# Altium PCB PCB.PcbDoc (part 1 of 2) (continued)
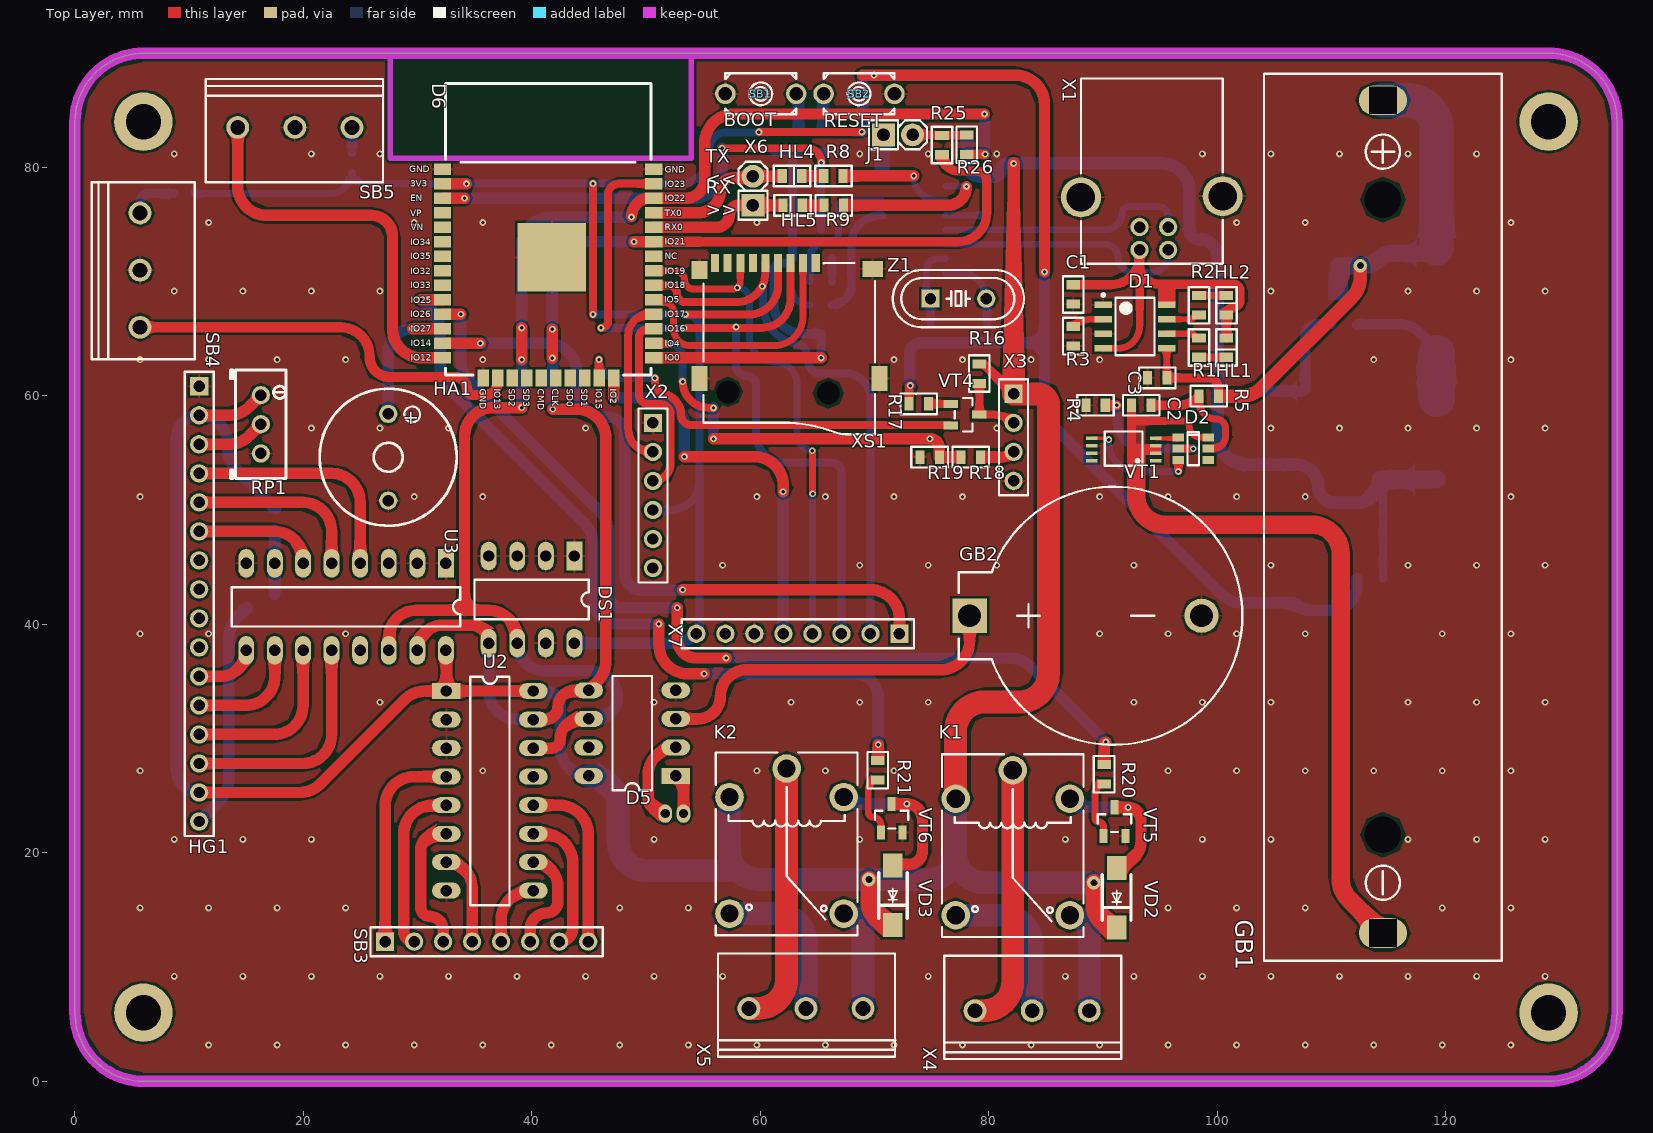
[diagram p0: Top Layer view]
## Components (designator, comment, footprint, x,y, rotation, side; value= is the part's Value field where it differs from the comment)
C13 "22pF" "C SMD 0805" 80.702,66.387 r0 bottom (schematic designator С13)
D1 "TP4056E" "U SOIC-8" 92.8,66.075 r0 top
D2 "DW01A" "U SOT-23-6" 97.9,55.375 r270 top
D3 "MT3608" "U SOT-23-6" 111.1,67.575 r180 bottom
D4 "AMS1117-3.3" "U SOT-223" 112.295,40.826 r0 bottom
D5 "DS1307" "U DIP-8" 48.841,30.47 r180 top
D6 "ESP32-WROOM-32" "D ESP-WROOOM-32" 41.434,72.116 r0 top
Designator1 "Comment" "BOASVIEWlayer:Bottom Layer:1:-1:32:2" 9.9,2349.7 r0 top
Designator1 "Comment" "BOASVIEWlayer:Top Layer:1:1:1:2" 8,2396.825 r0 top
Designator1 "Comment" "BOASVIEWdrill:Таблица отверстий:0:0:0:0" -204.15,2428.8 r0 top
Designator1 "Comment" "BOASVIEWlayer:Bottom Overlay:1:-1:34:3" 215.15,2352.2 r0 top
Designator1 "Comment" "BOASVIEWlayer:Top Overlay:1:1:33:3" 214.05,2394.45 r0 top
DS1 "AT24C512PI27" "U DIP-8" 39.975,42.225 r270 top
GB1 "3.6V" "GB 18650" 114.1,49.875 r270 top
GB2 "3.3V" "GB CR2032" 88.475,40.75 r0 top
HA1 "TMB12A05" "HA TMB12A05" 27.425,54.625 r270 top
HG1 "LCD1602" "X PBS-16" 10.872,41.788 r270 top
HL1 "LED-Red" "HL LED SMD 0805" 100.8,64.225 r270 top
HL2 "LED-Green" "HL LED SMD 0805" 100.8,67.925 r90 top
HL4 "LED-Yellow" "HL LED SMD 0805" 62.775,79.25 r0 top
HL5 "LED-Blue" "HL LED SMD 0805" 62.825,76.675 r180 top
J1 "=Valuemanufacturerpartnumber" "CON: PLS-2" 72.055,82.85 r0 top
K1 "SRA-05VDC-CL" "K SRA-05VDC-CL" 82.1,20.875 r270 top
K2 "SRA-05VDC-CL" "K SRA-05VDC-CL" 62.301,21.025 r270 top
L1 "22µH" "L SMD D10" 119.2,68.275 r90 bottom
R1 "1k" "R SMD 0805" 98.4,64.225 r90 top
R2 "1k" "R SMD 0805" 98.4,67.925 r270 top
R3 "1.2k" "R SMD 0805" 87.4,65.225 r90 top
R4 "1k" "R SMD 0805" 89.35,59.175 r0 top
R5 "100" "R SMD 0805" 99.25,59.975 r0 top
R6 "15k" "R SMD 2512" 110.825,59.775 r0 bottom
R7 "110k" "R SMD 2512" 104,57.2 r270 bottom
R8 "470" "R SMD 0805" 66.4,79.25 r0 top
R9 "470" "R SMD 0805" 66.425,76.675 r0 top
R10 "12k" "R SMD 0805" 67.125,70.024 r180 bottom
R11 "12k" "R SMD 0805" 63.475,70.024 r180 bottom
R12 "470" "R SMD 0805" 63.345,82.247 r90 bottom
R13 "12k" "R SMD 0805" 61.25,82.25 r90 bottom
R14 "12k" "R SMD 0805" 67.545,82.247 r90 bottom
R15 "470" "R SMD 0805" 65.445,82.247 r90 bottom
R16 "10k" "R SMD 0805" 79.172,61.946 r90 top
R17 "1k" "R SMD 0805" 73.872,59.296 r180 top
R18 "2k" "R SMD 0805" 78.422,54.636 r0 top
R19 "3k" "R SMD 0805" 74.822,54.636 r0 top
R20 "1k" "R SMD 0805" 90.1,26.875 r270 top
R21 "1k" "R SMD 0805" 70.275,27.225 r270 top
R22 "240" "R SMD 0805" 9.525,77.7 r0 bottom
R23 "240" "R SMD 0805" 24.25,80.45 r270 bottom
R24 "4,7k" "R SMD 0805" 17.572,49.268 r270 bottom
R25 "4,7k" "R SMD 0805" 75.9,81.95 r270 top
R26 "4,7k" "R SMD 0805" 78.075,81.975 r270 top
RP1 "10k" "R ADJ-3296W" 16.272,57.508 r0 top
SB1 "TS3601" "SB 3.5x6" 60.041,86.439 r180 top
SB2 "TS3601" "SB 3.5x6" 68.641,86.439 r0 top
SB3 "Матричная Клавиатура 4x4" "X PLS-8" 36.022,12.218 r0 top
SB4 "\"Дверь №1\"" "X 301-031-12" 6,71 r90 top
SB5 "\"Дверь №2\"" "X 301-031-12" 19.25,83.2 r0 top
U1 "CH340G" "U SOIC-16" 73.427,75.208 r180 bottom
U2 "PCF8574P" "U DIP-16" 36.271,25.417 r0 top
U3 "PCF8574P" "U DIP-16" 23.726,41.583 r270 top
VD1 "SS34" "VD DO-214AB" 119.2,56.14 r270 bottom
VD2 "SMA4007" "VD DO-214AC" 91.2,16.075 r270 top
VD3 "SMA4007" "VD DO-214AC" 71.6,16.275 r270 top
VT1 "FS8205A" "U TSSOP-8" 91.8,55.375 r180 top
VT2 "SS8050" "U SOT-23-3" 65.325,73.324 r180 bottom
VT3 "SS8050" "U SOT-23-3" 65.29,66.689 r0 bottom
VT4 "SS8050" "U SOT-23-3" 77.921,58.346 r270 top
VT5 "SS8050" "U SOT-23-3" 91,22.725 r0 top
VT6 "SS8050" "U SOT-23-3" 71.5,23.025 r0 top
VT7 "SS8050" "U SOT-23-3" 16.322,41.468 r270 bottom
X1 "USBB-1J" "X USBB-1J" 94.27,79.776 r270 top
X2 "PLS-6" "X PLS-6" 50.607,51.274 r270 top
X3 "PLS-4" "X PLS-4" 82.172,56.366 r270 top
X4 "306-031-12" "X 301-031-12" 83.8,6.475 r180 top
X5 "306-031-12" "X 301-031-12" 64,6.675 r180 top
X6 "Connector, 2pin, 2.54mm, 500VAC, 3A" "CON: PLS-2" 59.35,77.955 r90 top
X7 "PLS-8" "X PLS-8" 63.31,39.175 r180 top
XS1 "microSD" "X microSD" 61.956,64.642 r270 top
Z1 "12MHz" "Z HC-49" 77.338,68.512 r0 top
Z2 "32.768kHz" "Z DT-26" 52.475,22.425 r0 bottom
С1 "0.1µF" "C SMD 0805" 87.4,68.875 r270 top
С2 "0.1µF" "C SMD 0805" 93.35,59.175 r0 top
С3 "10µF" "C SMD 0805" 94.75,61.575 r180 top
С4 "22µF" "C SMD 1206" 109.05,71.375 r180 bottom
С5 "22µF" "C SMD 1206" 112.75,52.675 r180 bottom
С6 "0.1µF" "C SMD 0805" 113.65,48.875 r180 bottom
С7 "10µF" "C SMD 0805" 113.65,46.575 r0 bottom
С8 "10µF" "C SMD 0805" 106.6,42.725 r270 bottom
С9 "0.1µF" "C SMD 0805" 104.2,42.725 r90 bottom
С10 "100nF" "C SMD 0805" 79.925,76.65 r270 bottom
С11 "10µF" "C SMD 0805" 78.1,83.65 r270 bottom
С12 "100nF" "C SMD 0805" 75.9,83.65 r270 bottom
С14 "22pF" "C SMD 0805" 74.052,66.387 r180 bottom

## Footprints (in the part's own frame and the unit in brackets; to place one, negate y for a bottom-side part, rotate by r counter-clockwise, add the part's x,y. Pads: shape width x height; smd on the part's side, far side on the other; paste and mask are expansions set on the pad)
"BOASVIEWdrill:Таблица отверстий:0:0:0:0" [mm]
"BOASVIEWlayer:Bottom Layer:1:-1:32:2" [mm]
"BOASVIEWlayer:Bottom Overlay:1:-1:34:3" [mm]
"BOASVIEWlayer:Top Layer:1:1:1:2" [mm]
"BOASVIEWlayer:Top Overlay:1:1:33:3" [mm]
"C SMD 0805" [mm] "EU 2012"
  rect 0.8x1.2 smd: 1(-0.85,0) 2(0.85,0)
  silkscreen extent -1.6,-0.9 1.6,0.9, body extent -1.15,-0.78 1.15,0.77, height 0.99
"C SMD 1206" [mm] "EU2316"
  rect 1.6x1.8 smd: 1(-1.55,0) 2(1.55,0)
  silkscreen extent -2.63,-1.22 2.65,1.22, body extent -1.85,-0.97 1.85,0.97, height 1.34
"CON: PLS-2" [mm]
  rect 2x2 hole 1.1: 1(-1.27,0)
  round 2 hole 1.1: 2(1.27,0)
  silkscreen extent -2.54,-1.27 2.54,1.27, body extent -2.57,-1.28 2.51,1.26, height 8.54
"D ESP-WROOOM-32" [mil]
  rect 59.1x39.4 smd: 1(-364.19,304) 2(-364.19,254) 3(-364.19,204) 4(-364.19,154) 5(-364.19,104) 6(-364.19,54) 7(-364.19,4) 8(-364.19,-46) 9(-364.19,-96) 10(-364.19,-146) 11(-364.19,-196) 12(-364.19,-246) 13(-364.19,-296) 14(-364.19,-346) 25(363.81,-346) 26(363.81,-296) 27(363.81,-246) 28(363.81,-196) 29(363.81,-146) 30(363.81,-96) 31(363.81,-46) 32(363.81,4) 33(363.81,54) 34(363.81,104) 35(363.81,154) 36(363.81,204) 37(363.81,254) 38(363.81,304)
  rect 236.2x236.2 smd: 1(11.81,0)
  rect 39.4x59.1 smd: 15(-224.19,-415) 16(-174.19,-415) 17(-124.19,-415) 18(-74.19,-415) 19(-24.19,-415) 20(25.81,-415) 21(75.81,-415) 22(125.81,-415) 23(175.81,-415) 24(225.81,-415)
  silkscreen extent -354,-405 354,599, body extent -354,-404 354,600, height 118
"GB 18650" [mm]
  oval 2.6x4.2 hole 2.4 square: 1(36.9,0.4) 2(-36,0.4)
  round 0 hole 3.2: ""(-27.3,0.4) ""(28.3,0.4)
  silkscreen extent -38.33,-10 39.33,10.8, body extent -38.33,-10 39.33,10.8, height 21.65
"GB CR2032" [mm]
  round 3 hole 2: 1(10.152,0)
  rect 3x3 hole 2: 2(-10.151,0)
  silkscreen extent -11.1,-11.3 13.72,11.3, body extent -11.08,-11 13.42,11, height 8.5
"HA TMB12A05" [mm]
  round 1.6 hole 1: 1(-3.8,0) 2(3.8,0)
  silkscreen extent -6,-6 6,6, body extent -6,-6 6,6, height 9.6
"HL LED SMD 0805" [mm] "EU 2012"
  rect 0.8x1.2 smd: 1(-0.85,0) 2(0.85,0)
  silkscreen extent -1.6,-0.9 1.6,0.9, body extent -0.93,-0.46 1.13,0.45, height 0.85
"K SRA-05VDC-CL" [mm]
  round 2.5 hole 1.6: 1(-3.851,5) 2(-3.851,-5) 3(-6.35,-0.001) 4(6.35,5) 5(6.35,-5)
  silkscreen extent -7.75,-6.2 8.25,6.2, body extent -7.57,-6.2 8.12,6.1, height 13.76
"L SMD D10" [mm]
  rect 2.7x3.6 smd: 1(-4.2,0) 2(4.2,0)
  silkscreen extent -6,-5.75 6,5.75, body extent -5.2,-5.2 5.2,5.2, height 4.81
"R ADJ-3296W" [mm]
  round 1.6 hole 1: 1(0,2.55) 2(0,0.01) 3(0,-2.55)
  silkscreen extent -2.64,-4.75 2.2,4.75, body extent -2.66,-4.76 2.16,4.76, height 11.55
"R SMD 0805" [mm] "EU 2012"
  rect 0.8x1.2 smd: 1(-0.85,0) 2(0.85,0)
  silkscreen extent -1.6,-0.9 1.6,0.9, body extent -1,-0.62 1,0.63, height 0.6
"R SMD 2512" [mm] "EU 6332"
  rect 1.25x3.2 smd: 1(-3.225,0) 2(3.225,0)
  silkscreen extent -4.5,-2 4.5,2, body extent -3.35,-1.6 3.35,1.6, height 0.55
"SB 3.5x6" [mm]
  round 1.8 hole 1.2: 1(-3.1,0) 2(3.1,0)
  silkscreen extent -3.1,-1.8 3.1,1.8, body extent -3.88,-1.75 3.88,1.75, height 4.3
"U DIP-8" [mm]
  rect 2.5x1.4 hole 1: 1(-3.754,3.746)
  oval 2.5x1.4 hole 1: 2(-3.754,1.246) 3(-3.754,-1.254) 4(-3.754,-3.754) 5(3.866,-3.754) 6(3.866,-1.254) 7(3.866,1.246) 8(3.866,3.746)
  silkscreen extent -1.67,-5 1.78,5, body extent -4.13,-5 4.13,5, height 5.1
"U DIP-16" [mm]
  rect 2.5x1.4 hole 1: 1(-3.754,8.746)
  oval 2.5x1.4 hole 1: 2(-3.754,6.246) 3(-3.754,3.746) 4(-3.754,1.246) 5(-3.754,-1.254) 6(-3.754,-3.754) 7(-3.754,-6.229) 8(-3.754,-8.729) 9(3.866,-8.729) 10(3.866,-6.229) 11(3.866,-3.754) 12(3.866,-1.254) 13(3.866,1.246) 14(3.866,3.746) 15(3.866,6.246) 16(3.866,8.746)
  silkscreen extent -1.67,-10 1.78,10, body extent -3.93,-10 3.94,10, height 5.1
"U SOIC-8" [mm]
  rect 1.55x0.6 smd: 1(-2.775,1.905) 2(-2.775,0.635) 3(-2.775,-0.635) 4(-2.775,-1.905) 5(2.775,-1.905) 6(2.775,-0.635) 7(2.775,0.635) 8(2.775,1.905)
  silkscreen extent -2.9,-2.52 1.7,2.88, body extent -3,-2.45 3,2.45, height 1.75
"U SOIC-16" [mm]
  rect 1.55x0.6 smd: 1(-2.775,4.405) 2(-2.775,3.135) 3(-2.775,1.865) 4(-2.775,0.595) 5(-2.775,-0.665) 6(-2.775,-1.935) 7(-2.775,-3.205) 8(-2.775,-4.455) 9(2.775,-4.455) 10(2.775,-3.205) 11(2.775,-1.935) 12(2.775,-0.665) 13(2.775,0.595) 14(2.775,1.865) 15(2.775,3.135) 16(2.775,4.405)
  silkscreen extent -2.9,-5.07 1.7,5.38, body extent -3,-5.1 3,5.1, height 1.7
"U SOT-23-3" [mm]
  rect 0.7x1.25 smd: 1(0.95,-1.25) 2(-0.95,-1.25) 3(0,1.25)
  silkscreen extent -1.46,-0.9 1.46,0.65, body extent -1.45,-1.2 1.45,1.2, height 1.1
"U SOT-23-6" [mm]
  rect 0.7x1 smd: 1(-1,-1.3) 2(0,-1.3) 3(1,-1.3) 4(1,1.3) 5(0,1.3) 6(-1,1.3)
  silkscreen extent -1.45,-0.5 1.45,0.5, body extent -1.45,-1.4 1.45,1.4, height 1.18
"U SOT-223" [mm]
  rect 1.1x2.2 smd: 1(-2.395,-3.149) 2(-0.095,-3.149) 3(2.205,-3.149)
  rect 3.5x2.2 smd: 4(-0.095,3.049)
  silkscreen extent -3.64,-1.7 3.45,1.6, body extent -3.32,-3.39 3.18,3.57, height 1.7
"U TSSOP-8" [mm]
  rect 1x0.3 smd: 1(-2.8,1.05) 2(-2.8,0.4) 3(-2.8,-0.25) 4(-2.8,-0.9) 5(2.8,-0.9) 6(2.8,-0.25) 7(2.8,0.4) 8(2.8,1.05)
  silkscreen extent -1.65,-1.5 1.65,1.5, body extent -3.14,-1.5 3.14,1.5, height 1.19
"VD DO-214AB" [mm] "SMC"
  rect 3.03x3.82 smd: 1(-3.435,0) 2(3.435,0)
  silkscreen extent -3.6,-3.11 3.6,3.11, body extent -3.98,-2.95 3.98,2.95, height 2.45
"VD DO-214AC" [mm] "SMA"
  rect 2.1x1.7 smd: 1(-2.6,0) 2(2.6,0)
  silkscreen extent -1.99,-1.25 2.01,1.25, body extent -2.8,-1.48 2.8,1.47, height 2.7
"X 301-031-12" [mm]
  round 2 hole 1.3: 1(-5,0.3) 2(0,0.3) 3(5,0.3)
  silkscreen extent -7.8,-4.5 7.71,4.53, body extent -7.73,-4.5 7.87,3.1, height 10
"X microSD" [mil]
  rect 63x27.6 smd: 1(-274.92,114.02) 2(-274.92,70.02) 3(-274.92,27.02) 4(-274.92,-15.98) 5(-274.92,-59.98) 6(-274.92,-102.98) 7(-274.92,-145.98) 8(-274.92,-189.98) 9(-274.92,-232.98)
  rect 55.1x70.9 smd: 6(-254.92,309.84)
  rect 63x55.1 smd: 6(-250.92,-286.94)
  rect 86.6x55.1 smd: 6(123.08,334.02) 6(123.08,-286.94)
  round 0 hole 78.74: ""(169.29,-188.98) ""(173.23,157.48)
  silkscreen extent -275,-273 315,318, body extent -266,-246 425,299, height 85
"X PBS-16" [mm]
  rect 1.6x1.6 hole 1: 1(-19.05,0)
  round 1.6 hole 1: 2(-16.51,0) 3(-13.97,0) 4(-11.43,0) 5(-8.89,0) 6(-6.35,0) 7(-3.81,0) 8(-1.27,0) 9(1.27,0) 10(3.81,0) 11(6.35,0) 12(8.89,0) 13(11.43,0) 14(13.97,0) 15(16.51,0) 16(19.05,0)
  silkscreen extent -20.32,-1.27 20.32,1.27, body extent -20.34,-1.27 20.3,1.27, height 8.27
"X PLS-4" [mm]
  rect 1.6x1.6 hole 1: 1(-3.81,0)
  round 1.6 hole 1: 2(-1.27,0) 3(1.27,0) 4(3.81,0)
  silkscreen extent -5.08,-1.27 5.08,1.27, body extent -5.08,-1.27 5.08,1.27, height 9.3
"X PLS-6" [mm]
  rect 1.6x1.6 hole 1: 1(-6.356,-0.007)
  round 1.6 hole 1: 2(-3.816,-0.007) 3(-1.276,-0.007) 4(1.264,-0.007) 5(3.804,-0.007) 6(6.344,-0.007)
  silkscreen extent -7.63,-1.28 7.61,1.26, body extent -7.62,-1.27 7.62,1.27, height 8.54
"X PLS-8" [mm]
  rect 1.6x1.6 hole 1: 1(-8.87,0)
  round 1.6 hole 1: 2(-6.33,0) 3(-3.79,0) 4(-1.25,0) 5(1.29,0) 6(3.83,0) 7(6.37,0) 8(8.91,0)
  silkscreen extent -10.14,-1.27 10.18,1.27, body extent -10.13,-1.25 10.19,1.29, height 8.54
"X USBB-1J" [mm]
  round 1.6 hole 1: 1(7.001,-1.069) 2(7.001,1.43) 3(5.001,1.43) 4(5.001,-1.069)
  round 3.5 hole 2.5: 4(2.291,6.201) 4(2.4,-6.2)
  silkscreen extent -8,-6.2 8.2,6.2, body extent -8.05,-7.13 8.05,7.18, height 10.82
"Z DT-26" [mm]
  oval 1.2x1.6 hole 0.8: 1(-0.8,-1) 2(0.8,-1)
  silkscreen extent -1,0.25 1,7, body extent -0.99,-0.57 1,6.57, height 2
"Z HC-49" [mm]
  rect 1.6x1.6 hole 1: 1(-2.438,0)
  round 1.6 hole 1: 2(2.438,0)
  silkscreen extent -5.74,-2.5 5.74,2.5, body extent -5.4,-2.25 5.4,2.25, height 3.5

## Part data
C13 С2 С6 С9 С14: library part Конденсатор, Case=0805, Voltage=50, ComponentLink1Description=Datasheet, ComponentLink2Description=HelpURL, ComponentLink3Description=Store
  C13 С14: ComponentLink3URL=https://www.chipdip.ru/product0/29844, Model=MLCC22pFNPO50V5%0805
  С2 С6 С9: ComponentLink3URL=https://www.chipdip.ru/product0/77059545, Model=MLCC0.1uFY5V50V+80-20%0805
D1: library part TP4056, "Контроллер зарядки батарейки.", Case=SOP-8, Manufacturer="NanJing Top Power ASIC Corp.", ComponentLink1Description=Datasheet, ComponentLink1URL=https://static.chipdip.ru/lib/977/DOC002977110.pdf, ComponentLink2Description=Store, ComponentLink2URL=https://aliexpress.ru/item/32982194674.html?spm=a2g0s.9042311.0.0.75c333eday2Luc, ComponentLink3Description=HelpURL, Model=TP4056E
D2: library part DW01, "Защита для литиевого аккумулятора.", Case=SOT-23-6, Manufacturer="Shenzhen H&M Semiconductor Co. Ltd.", ComponentLink1Description=Datasheet, ComponentLink1URL=http://hmsemi.com/downfile/DW01A.PDF, ComponentLink2Description=Store, ComponentLink2URL=https://aliexpress.ru/item/32984691553.html?spm=a2g0s.9042311.0.0.543133edCjZ4Pa, ComponentLink3Description=HelpURL, Model=DW01A
D3: "Повышающий преобразователь.", Case=SOT-23-6, Manufacturer=AEROSEMI, ComponentLink1Description=HelpURL, ComponentLink2Description=Datasheet, ComponentLink2URL=https://prom-electric.ru/media/MT3608.pdf, ComponentLink3Description=Store, ComponentLink3URL=https://smdx.ru/mt3608-b628, Model=MT3608
D4: library part AMS1117, "Стабилизатор напряжения.", Case=SOT-223, Manufacturer="Advanced Monolithic Systems", Voltage=3.3, ComponentLink1Description=Datasheet, ComponentLink1URL=http://www.advanced-monolithic.com/pdf/ds1117.pdf, ComponentLink2Description=Store, ComponentLink2URL=https://aliexpress.ru/item/4000453803123.html?spm=a2g0s.9042311.0.0.543133edCjZ4Pa, Model=AMS1117-3.3
D5: "Часы реального времени.", Manufacturer="Dallas Semiconductor", ComponentLink1Description=HelpURL, ComponentLink2Description=Datasheet, ComponentLink2URL=https://www.sparkfun.com/datasheets/Components/DS1307.pdf, ComponentLink3Description=Store, ComponentLink3URL=https://aliexpress.ru/item/33022793738.html?spm=a2g0s.9042311.0.0.4d6533edTBBY1Q, Model=DS1307
D6: library part ESP32-WROOM, Manufacturer="Espressif Systems", ComponentLink1Description=Datasheet, ComponentLink1URL=https://www.espressif.com/sites/default/files/documentation/esp32-wroom-32_datasheet_en.pdf, ComponentLink2Description=Store, ComponentLink2URL=https://aliexpress.ru/item/32921866832.html?spm=a2g0s.9042311.0.0.264d33edwiJORy, ComponentLink3Description=HelpURL, Model=ESP32-WROOM-32
DS1: library part AT24C, "Перезаписываемая постоянная память.", Case=PDIP-8, Manufacturer=Atmel, ComponentLink1Description=Datasheet, ComponentLink1URL=http://ww1.microchip.com/downloads/en/devicedoc/atmel-8720-seeprom-at24c512c-datasheet.pdf, ComponentLink2Description=HelpURL, ComponentLink2URL=https://www.microchip.com/wwwproducts/en/AT24C512C, ComponentLink3Description=Store, ComponentLink3URL=https://aliexpress.ru/item/32598383117.html?spm=a2g0s.9042311.0.0.3da233edDDspR7, Device Revision=B, Memory Size="512 kbit", Model=AT24C512PI27
GB1: library part Батарея, Capacity=2200mAh, Case=18650, Manufacturer=LG, ComponentLink1Description=Store, ComponentLink2Description=HelpURL, ComponentLink3Description=Datasheet, ComponentLink3URL=https://www.tme.eu/Document/851884e7c9339fa73b5bf66663baac51/ACCU-ICR18650-2.2.pdf, Model=LGAAS31865, Voltage=3.6V
GB2: library part Батарея, Case=CR2032, ComponentLink1Description=Store, ComponentLink2Description=HelpURL, ComponentLink3Description=Datasheet, Voltage=3.3V
HA1: library part Пьездодинамик, ComponentLink1Description=Datasheet, ComponentLink2Description=Store, Model=TMB12A05
HG1: library part "LCD HD44780", "Дисплей на основе контроллера HD44780.", CharacterResolution=5x7, ComponentLink1Description=Store, ComponentLink2Description=Datasheet, ComponentLink3Description=HelpURL, Model=LCD1602, ScreenResolution=16x2, Type=LCD
HL1: library part Светодиод, Case=0805, Color=Red, Manufacturer="Taiwan Oasis Technology Co., Ltd", ComponentLink1Description=Datasheet, ComponentLink1URL=https://static.chipdip.ru/lib/736/DOC002736052.pdf, ComponentLink2Description=HelpURL, ComponentLink3Description=Store, ComponentLink3URL=https://www.chipdip.ru/product/to-2013bc-mre, Model=LED-Red
HL2: library part Светодиод, Case=0805, Color=Green, Manufacturer="Taiwan Oasis Technology Co., Ltd", ComponentLink1Description=Datasheet, ComponentLink1URL=https://static.chipdip.ru/lib/736/DOC002736052.pdf, ComponentLink2Description=HelpURL, ComponentLink3Description=Store, ComponentLink3URL=https://www.chipdip.ru/product/to-2013bc-mre, Model=LED-Green
HL4: library part Светодиод, Case=0805, Color=Yellow, Manufacturer="Taiwan Oasis Technology Co., Ltd", ComponentLink1Description=Datasheet, ComponentLink1URL=https://static.chipdip.ru/lib/736/DOC002736052.pdf, ComponentLink2Description=HelpURL, ComponentLink3Description=Store, ComponentLink3URL=https://www.chipdip.ru/product/to-2013bc-myf, Model=LED-Yellow
HL5: library part Светодиод, Case=0805, Color=Blue, Manufacturer="Taiwan Oasis Technology Co., Ltd", ComponentLink1Description=Datasheet, ComponentLink1URL=https://static.chipdip.ru/lib/736/DOC002736052.pdf, ComponentLink2Description=HelpURL, ComponentLink3Description=Store, ComponentLink3URL=https://www.chipdip.ru/product/to-2013bc-bf, Model=LED-Blue
J1: library part Jumper_single, CommentText="\"Перемычка\""
K1 K2: library part "Реле SRD-05VDC", Manufacturer="Ningbo Songle", MaxCurrent=20A, Temperature=-40...+85°C, VoltageControlCoil=5VDC, VoltageMax=250VAC, ComponentLink1Description=Store, ComponentLink1URL=https://aliexpress.ru/item/32836198919.html?spm=a2g0s.9042311.0.0.4d6533edTBBY1Q, ComponentLink2Description=Datasheet, ComponentLink2URL=https://www.circuitbasics.com/wp-content/uploads/2015/11/SRD-05VDC-SL-C-Datasheet.pdf, ComponentLink3Description=HelpURL, Model=SRA-05VDC-CL, TypeRelay="Electromechanics relay"
L1: library part "Катушка индуктивности", Case="SMD D10xH4.8", Manufacturer=Epcos, ComponentLink1Description=HelpURL, ComponentLink2Description=Datasheet, ComponentLink2URL=https://static.chipdip.ru/lib/547/DOC005547906.pdf, ComponentLink3Description=Store, ComponentLink3URL=https://www.chipdip.ru/product/b82464g4223m, Model=B82464G4223M
R1 R2 R3 R4 R5 R8 R9 R10 R11 R12 R13 R14 R15 R16 R17 R18 R19 R20 R21 R22 R23 R24 R25 R26: library part "Резистор 0.125 Вт", "R", Case=0805, Power=0.125, ComponentLink1Description=Datasheet, ComponentLink2Description=HelpURL, ComponentLink3Description=Store
  R1 R2 R4 R17: ComponentLink3URL=https://www.chipdip.ru/product0/843440046, Model=RC0805JR-071KL
  R3: ComponentLink3URL=https://www.chipdip.ru/product0/9000079488, Model=RC0805FR-071K2L
  R5: ComponentLink3URL=https://www.chipdip.ru/product0/9000079462, Model=RC0805FR-07100RL
  R8 R9 R12 R15: ComponentLink3URL=https://www.chipdip.ru/product0/9000079478, Model=RC0805FR-07470RL
  R10 R11 R13 R14: ComponentLink3URL=https://www.chipdip.ru/product0/9000079516, Model=RC0805FR-0712KL
  R16: ComponentLink3URL=https://www.chipdip.ru/product0/9000079514, Model=RC0805FR-0710KL
  R18: ComponentLink3URL=https://www.chipdip.ru/product0/811944944, Model=RC0805JR-072KL
  R19: ComponentLink3URL=https://www.chipdip.ru/product0/88534195, Model=RC0805JR-073KL
  R20 R21: ComponentLink3URL=https://www.chipdip.ru/product0/9000079486, Model=RC0805FR-071KL
  R22 R23: ComponentLink3URL=https://www.chipdip.ru/product0/834986419, Model=RC0805JR-07240RL
  R24 R25 R26: ComponentLink3URL=https://www.chipdip.ru/product0/9000079502, Model=RC0805FR-074K7L
R6 R7: library part "Резистор 1 Вт", "R", Case=2512, Power=1, ComponentLink1Description=Datasheet, ComponentLink2Description=HelpURL, ComponentLink3Description=Store
  R6: ComponentLink3URL=https://www.chipdip.ru/product0/9000190185, Model=RC2512FR-0715KL
  R7: ComponentLink3URL=https://www.chipdip.ru/product0/9000190222, Model=RC2512FR-07110KL
RP1: library part "Подстроечный Резистор", ComponentLink1Description=Datasheet, ComponentLink2Description=HelpURL, ComponentLink3Description=Store
SB1 SB2: library part Кнопка, Manufacturer="KLS electronic co ltd", ComponentLink1Description=Store, ComponentLink1URL=https://www.chipdip.ru/product/kls7-ts3601-4.3-180-tc-0120, ComponentLink2Description=Datasheet, ComponentLink2URL=https://static.chipdip.ru/lib/551/DOC001551910.pdf, ComponentLink3Description=HelpURL, Model=TS3601, Size=3.5x6x4.3
SB3: "SB", ComponentLink1Description=Store, ComponentLink1URL=https://aliexpress.ru/item/32874565775.html?spm=a2g0s.9042311.0.0.264d33edwiJORy
SB4 SB5: library part "Кнопка (2-х парная)", "SB", ComponentLink1Description=Store, ComponentLink2Description=Datasheet, ComponentLink3Description=HelpURL
U1: "Преобразователя интерфейса USB в UART.", Case=SOP-16, Manufacturer="Nanjing Qinheng Microelectronics Co. Ltd.", ComponentLink1Description=HelpURL, ComponentLink1URL=http://mypractic.ru/mikrosxema-ch340g-preobrazovatel-interfejsa-usb-v-uart-most-usb-uart-xarakteristiki-usloviya-ekspluatacii-tipovye-sxemy-vklyucheniya.html, ComponentLink2Description=Datasheet, ComponentLink2URL=http://www.wch-ic.com/products/CH340.html?from=search&q=eyJpdiI6InNwMEdrWnhCbzlTczZhZUM2cncxVHc9PSIsInZhbHVlIjoia0FTMDlncDFNZ29zQmJ2ZGJZOTBCZz09IiwibWFjIjoiZGE4NTAzZGQ0ZWQzNzFmMTZkZWFhMWYwOTExNzExNWI5YjhlMzUwMjE3NzYxMzc5MWI2ZmFmZTVlMDQ3ZDAwZiJ9, ComponentLink3Description=Store, ComponentLink3URL=https://aliexpress.ru/item/32836074859.html?spm=a2g0s.9042311.0.0.264d33edvcXNXs, Model=CH340G
U2 U3: library part PCF8574, "IIC расширитель.", ComponentLink1Description="Datasheet №1", ComponentLink1URL=https://www.nxp.com/docs/en/data-sheet/PCF8574_PCF8574A.pdf, ComponentLink2Description="Datasheet №2", ComponentLink2URL=http://www.ti.com/lit/ds/symlink/pcf8574.pdf, ComponentLink3Description=HelpURL, ComponentLink4Description=Store, ComponentLink4URL=https://aliexpress.ru/item/4000480743714.html?spm=a2g0s.9042311.0.0.264d33edUHMLcH, Model=PCF8574P
VD1: library part "Диод Шотки", Case=SMC, Manufacturer="Vishay General Semiconductor", ComponentLink1Description=Datasheet, ComponentLink1URL=https://static.chipdip.ru/lib/501/DOC001501148.pdf, ComponentLink2Description=HelpURL, ComponentLink3Description=Store, ComponentLink3URL=https://www.chipdip.ru/product/ss34-5, Model=SS34
VD2 VD3: library part Диод, "VD", Case=SMA, ComponentLink1Description=Datasheet, ComponentLink2Description=HelpURL, ComponentLink3Description=Store, ComponentLink3URL=https://www.chipdip.ru/product/sma4007, Model=SMA4007
VT1: library part FS8205, "Транзисторная сборка. Если корпус SOIC-8, то смотри подробное условное обозначение. Пины 2 и 5 находятся по середине, в внутренней схеме они соеденины.", Case=TSSOP-8, Manufacturer="Fortune Semiconductor Corp.", ComponentLink1Description=Datasheet, ComponentLink1URL=https://www.ic-fortune.com/upload/Download/FS8205A-DS-12_EN.pdf, ComponentLink2Description="Detailed symbol", ComponentLink2URL=https://go-radio.ru/images/8205a.png, ComponentLink3Description=Store, ComponentLink3URL=https://aliexpress.ru/item/4000453813065.html?spm=a2g0s.9042311.0.0.75c333eday2Luc, ComponentLink4Description=HelpURL, Model=FS8205A
VT2 VT3 VT4 VT5 VT6 VT7: library part "Биполярный Транзистор", Case=SOT-23-3, Manufacturer=Hottech, ComponentLink1Description=Datasheet, ComponentLink1URL=https://static.chipdip.ru/lib/210/DOC005210683.pdf, ComponentLink2Description=HelpURL, ComponentLink3Description=Store, ComponentLink3URL=https://www.chipdip.ru/product/ss8050-hottech, Model=SS8050
X1: library part "USB B", Manufacturer=Molex, ComponentLink1Description=Store, ComponentLink1URL=https://www.chipdip.ru/product/usbb-1j-ds1099-b, ComponentLink2Description=Datasheet, ComponentLink3Description=HelpURL, Model=USBB-1J, TypeConnector="USB B"
X2 X3: CurrentMax=3A, Manufacturer=Connfly, VoltageMax=500VAC, ComponentLink1Description=Store, Pitch=2.54mm, TypeConnector=Connector
  X2: CommentText=FPM10A, Model=PLS-6, Multichannel=6pin, Text1=GND, Text2=RX, Text3=TX, Text4=Vcc, Text5=NC, Text6=NC
  X3: CommentText=HC-SR04, ComponentLink1URL=https://aliexpress.ru/item/1872588324.html?spm=a2g0s.9042311.0.0.264d33edUHMLcH, Model=PLS-4, Multichannel=4pin, Text1=Vcc, Text2=Trip, Text3=Echo, Text4=GND
X4 X5: library part "Винтовой Клеммник 3 Pin", CurrentMax=10A, VoltageMax=300VAC, Model=306-031-12, Multichannel=3pin, Pitch=3.5mm, Text1=OUT, Text2=NO, Text3=NC, TypeConnector="Terminal connector"
  X4: CommentText="\"Разъем для подключения замка №1\""
  X5: CommentText="\"Разъем для подключения замка №2\""
X6: library part PLS-2, CurrentMax=3A, Manufacturer=Connfly, VoltageMax=500VAC, CommentText="\"UART\"", HelpURL=https://www.chipdip.ru/product/pls-2, Multichannel=2pin, PartNumber=PLS-2, Pitch=2.54mm, Text1=RX, Text2=TX, TypeConnector=Connector, ValueManufacturerPartNumber="Connector, 2pin, 2.54mm, 500VAC, 3A"
X7: library part PLS/PBS-8, CurrentMax=3A, VoltageMax=500VAC, CommentText=RC522, ComponentLink1Description=Store, ComponentLink1URL=https://aliexpress.ru/item/33014153324.html?spm=a2g0s.9042311.0.0.264d33edMcVqDH, Model=PLS-8, Multichannel=8pin, Pitch=2.54mm, Text1=RX/SDA/SS, Text2=SCK, Text3=MOSI, Text4=TX/SCL/MISO, Text5=IRQ, Text6=GND, Text7=RST, Text8=Vcc, TypeConnector=Connector
XS1: "Слот для карты памяти.", Manufacturer=Molex, ComponentLink1Description=Store, ComponentLink1URL=https://aliexpress.ru/item/32802051702.html?spm=a2g0s.9042311.0.0.4d6533edTBBY1Q, ComponentLink2Description=Datasheet, ComponentLink3Description=HelpURL, ComponentLink3URL=https://kicad-info.s3-us-west-2.amazonaws.com/original/2X/8/8d1dbfabaa90b65dad4965a185d7e55230d35003.png, TypeConnector=microSD
Z1 Z2: library part "Кварцевый Резонатор", ComponentLink1Description=Store, ComponentLink2Description=Datasheet, ComponentLink3Description=HelpURL
  Z1: ComponentLink1URL=https://aliexpress.ru/item/32905911610.html?spm=a2g0s.9042311.0.0.264d33edzA8MIe, Frequency=12MHz, Model=HC-49
  Z2: Frequency=32.768kHz
С1: library part Конденсатор, "C", Case=0805, Voltage=50, ComponentLink1Description=Datasheet, ComponentLink2Description=HelpURL, ComponentLink3Description=Store, ComponentLink3URL=https://www.chipdip.ru/product0/642412305, Model=MLCC0.1uFY5V50V+80-20%0805
С3 С7 С8 С11: library part Конденсатор, "C", Case=0805, Manufacturer="Murata Manufacturing", Voltage=16, ComponentLink1Description=Datasheet, ComponentLink1URL=https://static.chipdip.ru/lib/428/DOC005428493.pdf, ComponentLink2Description=HelpURL, ComponentLink3Description=Store, ComponentLink3URL=https://www.chipdip.ru/product/grm21br61c106ke15l, Model=GRM21BR61C106KE15L
С4 С5: library part Конденсатор, Case=1206, Manufacturer="Murata Manufacturing", Voltage=16, ComponentLink1Description=Datasheet, ComponentLink2Description=HelpURL, ComponentLink3Description=Store, Model=GRM31CR61C226KE15L
  С4: ComponentLink1URL=https://static.chipdip.ru/lib/428/DOC005428493.pdf, ComponentLink3URL=https://www.chipdip.ru/product/grm31cr61c226ke15l
С10 С12: library part Конденсатор, Case=0805, Manufacturer="Murata Manufacturing", Voltage=25, ComponentLink1Description=Datasheet, ComponentLink1URL=https://static.chipdip.ru/lib/428/DOC005428493.pdf, ComponentLink2Description=HelpURL, ComponentLink3Description=Store, ComponentLink3URL=https://www.chipdip.ru/product/grm21br71e104ka01l, Model=GRM21BR71E104KA01L

## Free pads (board coordinates)
  round 0 on Mech4: 2(129,84)
  round 5.12 hole 3.1: ""(6,6) ""(6,84) ""(129,6) ""(129,84)

## Via types
v1: diameter 0.6, hole 0.3, Top Layer to Bottom Layer, 159 vias
v2: diameter 0.6, hole 0.3, Top Layer to Bottom Layer, tented both sides, 60 vias
v3: diameter 1.2, hole 0.6, Top Layer to Bottom Layer, tented both sides, 3 vias

## Nets (pads, with @x,y where several pads share a name; then routed paths per layer and width w, separated by ;. In a path a pad name is that pad's centre, name@x,y a point inside that pad or via, vN(x,y) a via of type N, cw(c..) or ccw(c..) an arc to the next point about the centre after c; other vN are vias at no path point)
+3.3: D4.2 D6.2 DS1.8 R13.2 R14.2 R17.2 R22.2 R23.2 X2.4 X7.8 XS1.4 С8.2 С9.1 | length 246.9
  Top Layer w0.7: v2@34.275,78.567 v2(34.275,78.575) ; v2(45.35,67.125) v2(45.35,78.575) ; v2(53.45,67.125) 59.01,67.125 ccw(c59.01,69.665) 61.55,69.665 XS1.4@61.55,71.625 ; v2(59.873,83.083) 68.87,83.083 ccw(c68.87,83.104) v2(68.89,83.104) ; R17.2@73.022,59.296 73.022,60.796 cw(c73.125,60.796) v2(73.125,60.9)
  Top Layer w1: D6.2@32.184,78.567 v2@34.275,78.567 ; X2.4@50.6,50.01 X2.4@50.665,50.01 ; 68.95,88.075 v2(69.95,88.075) 82.335,88.075 cw(c82.335,85.535) 84.875,85.535 v2(84.875,70.85)
  Bottom Layer w0.6: R22.2@10.375,77.925 R22.2@10.375,77.7 22.35,77.7 ccw(c22.35,79.6) R23.2@24.25,79.6 ccw(c25.275,79.6) 25.275,78.575 v2(34.275,78.575)
  Bottom Layer w0.7: v2(34.275,78.575) v2(45.35,78.575) 52.982,78.575 ccw(c52.982,81.115) 55.522,81.115 55.522,81.577 cw(c57,81.577) 57,83.055 59.844,83.055 v2(59.873,83.083) ; v2(45.35,67.125) v2(53.45,67.125) cw(c53.45,65.9) 54.675,65.9 54.675,52.55 ; X2.4@50.6,50.01 52.135,50.01 ccw(c52.135,52.55) 54.675,52.55 ; X7.8@54.4,39.175 ccw(c54.4,39.45) 54.675,39.45 54.675,52.55 ; v2@59.85,83.1 R13.2@61.25,83.1 ; R14.2@67.545,83.097 68.925,83.097 v2@68.925,83.1 ; v2(68.89,83.104) ccw(c68.89,83.164) v2@68.95,83.164
  Bottom Layer w1: DS1.8@43.721,38.359 52.532,38.359 ccw(c52.532,40.899) X7.8@54.328,39.103 ; v2@68.95,83.164 68.95,88.075 ; v2(73.125,60.9) cw(c73.125,60.95) 73.075,60.95 73.075,63.625 cw(c74.114,63.625) 74.114,64.664 84.875,64.664 ; v2(84.875,70.85) 84.875,64.664 ; D4.2@112.2,43.975 112.2,43.375 cw(c110.05,43.375) 110.05,41.225 108.169,41.225 cw(c108.169,43.443) С8.2@106.6,41.875 С9.1@104.2,41.875 102.177,41.875 cw(c102.177,44.415) 100.381,42.619 85.125,57.875 cw(c85.729,58.478) 84.875,58.478 84.875,64.664
  Bottom Layer w1.5: X7.8@54.328,39.103 X7.8@54.4,39.175
+5: D4.3 D5.8 HG1.2 HG1.15 J1.2 K1.2 K2.2 R7.2 R16.2 R24.1 R25.1 R26.1 RP1.1 U2.1 U2.16 U3.16 VD1.2 VD2.2 VD3.2 X3.1 С5.1 С6.1 С7.2 С11.2 С12.2 | length 331
  Top Layer w0.7: J1.2@73.325,82.85 75.85,82.85 cw(c75.85,82.8) R25.1@75.9,82.8 cw(c75.925,82.8) 75.925,82.825 R26.1@78.075,82.825 ; R16.2@79.172,62.796 79.552,62.796 X3.1@82.172,60.176
  Top Layer w1: HG1.15@10.872,25.278 19.676,25.278 ccw(c19.676,27.818) 21.472,26.022 28.869,33.419 cw(c30.665,31.623) 30.665,34.163 U2.1@32.517,34.163 ; HG1.2@10.872,58.298 13.46,58.298 ccw(c13.46,60.838) 15.256,59.042 RP1.1@16.272,60.058 ; U3.16@32.472,37.718 cw(c32.472,37.673) 32.517,37.673 U2.1@32.517,34.163 ; U2.16@40.137,34.163 U2.1@32.517,34.163
  Top Layer w1.1: X3.1@82.172,60.176 v2(82.172,80.338)
  Top Layer w1.5: v3(69.5,17.656) 69.5,15.775 ccw(c71.6,15.775) VD3.2@71.6,13.675 ; v3(89.2,17.375) 89.2,15.475 ccw(c91.2,15.475) VD2.2@91.2,13.475
  Top Layer w2: K1.2@77.1,24.725 77.1,30.66 cw(c79.64,30.66) 79.64,33.2 82.685,33.2 ccw(c82.685,35.74) 85.225,35.74 85.225,59.2 ccw(c84.248,59.2) 84.248,60.176 X3.1@82.172,60.176
  Bottom Layer w0.7: J1.2@73.375,82.8 С12.2@75.9,82.8 С11.2@78.1,82.8 ; D4.3@114.5,43.975 С7.2@114.5,46.575 С6.1@114.5,48.875 114.5,51.75
  Bottom Layer w1: HG1.15@10.872,25.278 cw(c10.872,27.275) 8.875,27.275 8.875,56.271 cw(c10.902,56.271) 10.872,58.297 cw(c10.902,56.271) 10.902,58.298 cw(c10.902,55.825) 13.375,55.825 13.375,55.367 ccw(c15.915,55.367) 14.119,53.571 R24.1@17.572,50.118 ; U2.16@40.137,34.163 41.237,34.163 cw(c41.237,32.925) 42.475,32.925 42.475,29.225 ccw(c44.975,29.225) D5.8@44.975,26.725
  Bottom Layer w1.1: J1.2@73.325,82.85 ccw(c73.375,82.85) J1.2@73.375,82.8 ; С11.2@78.107,82.528 78.1,82.528 78.1,80.275 ccw(c79.175,80.275) 79.175,79.2 80.49,79.2 ccw(c80.49,79.764) 81.054,79.764 cw(c81.64,79.764) 81.64,80.35 95.175,80.35 cw(c95.175,77.975) 97.55,77.975 97.55,74.65 ccw(c98.5,74.65) 98.5,73.7 cw(c98.5,72.175) 100.025,72.175 100.025,56.515 ccw(c102.565,56.515) 102.565,53.975 R7.2@104,53.975 106.925,53.975 cw(c106.925,52.05) 108.85,52.05 ccw(c110.25,52.05) 110.25,50.65 112.275,50.65 ccw(c112.275,52.675) С5.1@114.3,52.675
  Bottom Layer w1.6: С5.1@114.3,52.675 119.17,52.675 ccw(c119.17,52.705) VD1.2@119.2,52.705
  Bottom Layer w2: D5.8@44.975,26.725 45.01,26.725 cw(c45.01,24.185) 47.55,24.185 47.55,20.965 ccw(c50.09,20.965) 50.09,18.425 57.95,18.425 ; K2.2@57.301,24.875 57.301,20.215 ccw(c59.841,20.215) 59.841,17.675 v3@69.499,17.675 ; v3(69.5,17.656) 74.841,17.656 ccw(c74.841,19.915) 77.1,19.915 ; K1.2@77.1,24.725 77.1,19.915 ; v3(89.2,17.375) 79.64,17.375 cw(c79.64,19.915) 77.1,19.915
GND: C13.2 D1.1 D1.3 D3.2 D4.1 D5.4 D6.1 D6.15 D6.38 DS1.1 DS1.2 DS1.3 DS1.4 DS1.7 GB2.1 HA1.2 HG1.1 R3.1 R4.1 R6.2 R19.1 RP1.3 SB1.2 SB2.2 SB4.2 SB5.2 U1.1 U2.2 U2.3 U2.8 U3.1 U3.2 U3.3 U3.8 VT1.6 VT1.7 VT5.1 VT6.1 VT7.1 X1.4 X2.1 X3.4 X7.6 XS1.6 С1.2 С3.2 С4.2 С5.2 С6.2 С7.1 С8.1 С9.2 С10.1 С11.1 С12.1 С14.2
  other v1: 11.7,3.175 17.7,3.175 23.7,3.175 29.7,3.175 35.7,3.175 41.7,3.175 47.7,3.175 53.7,3.175 59.7,3.175 65.7,3.175 71.7,3.175 77.7,3.175 83.7,3.175 89.7,3.175 95.7,3.175 101.7,3.175 107.7,3.175 113.7,3.175 119.7,3.175 125.7,3.175 8.7,9.175 14.7,9.175 20.7,9.175 26.7,9.175 32.7,9.175 38.7,9.175 44.7,9.175 50.7,9.175 56.7,9.175 74.7,9.175 86.7,9.175 92.7,9.175 98.7,9.175 104.7,9.175 110.7,9.175 116.7,9.175 122.7,9.175 128.7,9.175 5.7,15.175 11.7,15.175 17.7,15.175 23.7,15.175 47.7,15.175 53.7,15.175 95.7,15.175 101.7,15.175 107.7,15.175 119.7,15.175 125.7,15.175 8.7,21.175 14.7,21.175 20.7,21.175 50.7,21.175 68.7,21.175 86.7,21.175 98.7,21.175 104.7,21.175 116.7,21.175 122.7,21.175 128.7,21.175 5.7,27.175 35.7,27.175 59.7,27.175 65.7,27.175 71.7,27.175 95.7,27.175 101.7,27.175 107.7,27.175 113.7,27.175 119.7,27.175 125.7,27.175 26.7,33.175 50.7,33.175 62.7,33.175 68.7,33.175 74.7,33.175 92.7,33.175 98.7,33.175 104.7,33.175 116.7,33.175 122.7,33.175 128.7,33.175 5.7,39.175 11.7,39.175 23.7,39.175 89.7,39.175 95.7,39.175 101.7,39.175 107.7,39.175 119.7,39.175 125.7,39.175 56.7,45.175 68.7,45.175 74.7,45.175 80.7,45.175 92.7,45.175 104.7,45.175 116.7,45.175 122.7,45.175 128.7,45.175 5.7,51.175 29.7,51.175 35.7,51.175 59.7,51.175 65.7,51.175 71.7,51.175 77.7,51.175 89.7,51.175 95.7,51.175 101.7,51.175 107.7,51.175 125.7,51.175 20.7,57.175 26.7,57.175 32.7,57.175 44.7,57.175 80.7,57.175 104.7,57.175 110.7,57.175 116.7,57.175 122.7,57.175 128.7,57.175 5.7,63.175 11.7,63.175 17.7,63.175 23.7,63.175 35.7,63.175 71.7,63.175 77.7,63.175 83.7,63.175 89.7,63.175 113.7,63.175 125.7,63.175 8.7,69.175 14.7,69.175 20.7,69.175 26.7,69.175 104.7,69.175 116.7,69.175 122.7,69.175 128.7,69.175 11.7,75.175 29.7,75.175 35.7,75.175 59.7,75.175 101.7,75.175 107.7,75.175 125.7,75.175 8.7,81.175 20.7,81.175 26.7,81.175 68.7,81.175 74.7,81.175 80.7,81.175 98.7,81.175 104.7,81.175 110.7,81.175 116.7,81.175 122.7,81.175
NetD1_2: D1.2 R3.2 | length 2.8
  Top Layer w0.6: R3.2@87.4,66.075 cw(c88.933,64.542) 88.933,66.71 D1.2@90.025,66.71
NetD1_4: D1.4 D1.8 HL1.1 HL2.1 X1.1 С1.1 | length 34.6
  Top Layer w0.6: D1.4@90.025,64.17 91.381,64.17 ccw(c91.381,65.894) 92.6,64.675 ccw(c91.151,66.124) 93.2,66.124 93.2,71.549 ; D1.8@95.637,67.98 95.637,69.112
  Top Layer w0.8: С1.1@87.4,69.725 90.66,69.725 ccw(c90.66,72.265) 93.2,72.265 93.2,71.549 ccw(c94.985,71.549) 94.985,69.765 ; 95.637,69.112 94.985,69.765 ; HL1.1@100.8,65.075 HL2.1@100.8,67.075 cw(c101.595,66.988) 101.484,67.781 ccw(c101.4,68.375) 102,68.375 102,69.175 ccw(c101.4,69.175) 101.4,69.775 94.995,69.775 94.985,69.765
NetD1_5: D1.5 D3.4 D3.5 GB1.2 L1.2 R5.2 С3.1 С4.1 | length 56.3
  Top Layer w0.6: D1.5@95.575,64.17 95.575,61.6 С3.1@95.6,61.575
  Top Layer w0.8: С3.1@95.6,61.575 99.317,61.575 cw(c99.317,60.892) 99.8,61.375 cw(c99.076,60.65) 100.1,60.65
  Top Layer w1.2: R5.2@100.338,59.975 102.098,59.975 ccw(c102.098,62.515) 103.894,60.719 111.781,68.606 ccw(c109.985,70.402) 112.525,70.402 v3(112.525,71.4) ; GB1.2@113.727,85.875 GB1.2@114.5,85.875
  Bottom Layer w0.6: D3.4@110.1,68.875 110.1,70.775 С4.1@110.6,71.275 ; D3.5@111.1,68.875 С4.1@111.1,70.775
  Bottom Layer w1.5: С4.1@110.6,71.375 111.1,71.375 v3@112.426,71.375 ; v3(112.525,71.4) 112.666,71.4 ccw(c112.666,73.534) 114.175,72.025 cw(c115.261,70.938) 115.261,72.475 119.152,72.475 L1.2@119.2,72.475
  Bottom Layer w3: GB1.2@114.5,85.875 116.66,85.875 cw(c116.66,83.335) 119.2,83.335 119.2,72.938 cw(c119.152,72.938) L1.2@119.152,72.89
NetD1_6: D1.6 R1.2 | length 3
  Top Layer w0.5: D1.6@95.575,65.44 R1.2@97.835,65.44
  Top Layer w0.6: R1.2@97.835,65.44 98.2,65.075 R1.2@98.4,65.075
NetD1_7: D1.7 R2.2 | length 3
  Top Layer w0.5: D1.7@95.575,66.71 97.835,66.71 98.2,67.075 R2.2@98.4,67.075
NetD2_1: D2.1 VT1.4 | length 2
  Top Layer w0.3: VT1.4@94.6,56.275 D2.1@96.5,56.275
  Top Layer w0.5: D2.1@96.5,56.275 D2.1@96.6,56.375
NetD2_2: D2.2 R4.2 | length 11.7
  Top Layer w0.6: D2.2@96.6,55.375 v2(97.9,55.375)
  Top Layer w0.8: R4.2@90.2,59.175 v2(91.209,59.175)
  Bottom Layer w0.8: v2(91.209,59.175) 91.209,57.915 ccw(c93.749,57.915) 93.749,55.375 v2(97.9,55.375)
NetD2_3: D2.3 VT1.5 | length 10.3
  Top Layer w0.3: VT1.5@89,56.275 90.319,56.275 90.419,56.175 v2(90.5,56.175)
  Top Layer w0.7: v2@96.6,53.475 D2.3@96.6,54.375
  Bottom Layer w0.6: v2(90.5,56.175) 90.5,55.915 ccw(c93.04,55.915) 93.04,53.375 v2(96.6,53.375)
NetD2_5: D2.5 R5.1 С2.2 | length 11
  Top Layer w0.6: R5.1@98.4,59.475 ccw(c99.9,59.475) 99.9,57.975 cw(c99.9,57.15) 100.725,57.15 100.725,56.45 cw(c99.65,56.45) D2.5@99.65,55.375
  Top Layer w0.8: С2.2@94.2,59.175 96.548,59.175 ccw(c96.548,61.715) 98.344,59.919 R5.1@98.4,59.975 98.4,59.973 R5.1@98.4,59.475